# KiCad board Leopold Replacement.kicad_pcb (continued)
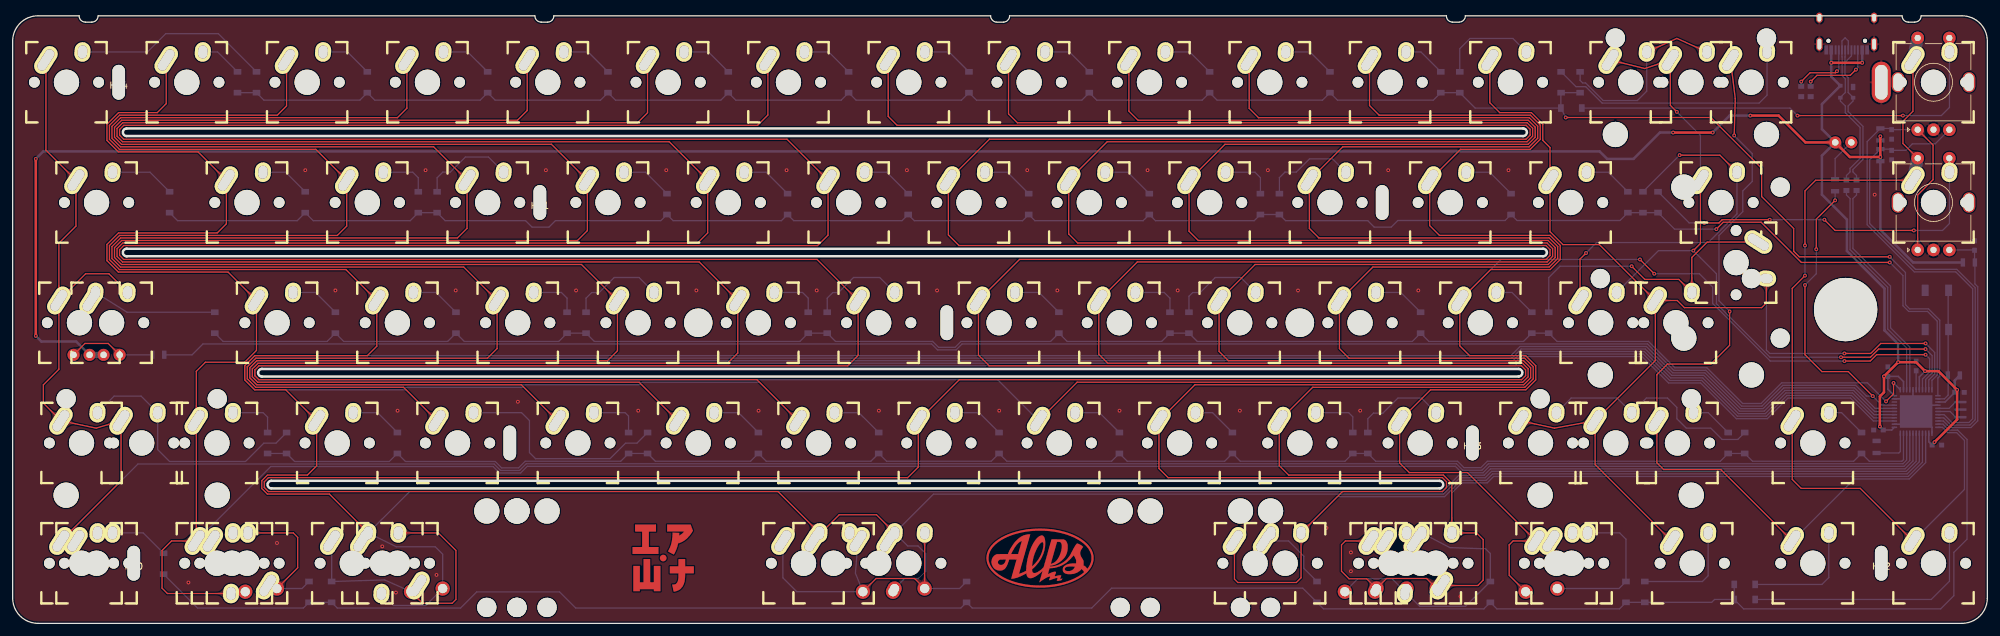
[diagram p0: board, top side]
## Copper pours and planes (outline as drawn; the poured copper is in the pictures) (continued)
Col9 on Top: 205.24,16.13 205.16,16.05 205.09,15.99 205.02,15.93 204.95,15.88 204.88,15.83 204.81,15.79 204.75,15.76 204.68,15.73 204.62,15.7 204.56,15.68 204.49,15.67 204.43,15.65 204.37,15.64 204.31,15.64 203.79,15.61 203.71,15.6 203.64,15.59 203.56,15.58 203.49,15.57 203.4,15.55 203.32,15.53 203.23,15.51 203.14,15.48 203.11,13.85 204.73,13.89 204.76,13.98 204.79,14.06 204.81,14.15 204.82,14.23 204.84,14.31 204.85,14.38 204.86,14.46 204.86,14.53 204.89,15.05 204.9,15.11 204.91,15.18 204.92,15.24 204.94,15.3 204.96,15.36 204.98,15.43 205.01,15.49 205.05,15.56 205.09,15.62 205.13,15.69 205.18,15.76 205.24,15.83 205.31,15.91 205.38,15.99
Col9 on Top: 181.19,29.55 181.19,29.65 181.2,29.75 181.21,29.84 181.22,29.93 181.24,30.01 181.26,30.09 181.28,30.16 181.31,30.22 181.33,30.28 181.36,30.34 181.4,30.4 181.43,30.45 181.47,30.5 181.51,30.55 181.85,30.94 181.9,31 181.95,31.06 181.99,31.12 182.04,31.18 182.09,31.25 182.13,31.33 182.17,31.41 182.22,31.49 181.09,32.66 179.97,31.49 180.01,31.41 180.05,31.33 180.1,31.25 180.15,31.18 180.19,31.12 180.24,31.06 180.28,31 180.33,30.94 180.68,30.55 180.72,30.5 180.75,30.45 180.79,30.4 180.82,30.34 180.85,30.28 180.88,30.22 180.9,30.16 180.93,30.09 180.95,30.01 180.96,29.93 180.98,29.84 180.98,29.75 180.99,29.65 180.99,29.55
Col9 on Top: 182.78,33.87 182.71,33.79 182.63,33.73 182.56,33.67 182.49,33.62 182.42,33.57 182.35,33.53 182.29,33.5 182.22,33.47 182.16,33.44 182.1,33.42 182.04,33.41 181.97,33.39 181.91,33.38 181.85,33.38 181.33,33.35 181.26,33.34 181.18,33.33 181.11,33.32 181.03,33.31 180.95,33.29 180.86,33.27 180.77,33.25 180.68,33.22 180.65,31.59 182.27,31.63 182.3,31.72 182.33,31.8 182.35,31.89 182.37,31.97 182.38,32.05 182.39,32.12 182.4,32.2 182.4,32.27 182.43,32.79 182.44,32.85 182.45,32.92 182.46,32.98 182.48,33.04 182.5,33.1 182.53,33.17 182.55,33.23 182.59,33.3 182.63,33.36 182.67,33.43 182.73,33.5 182.78,33.57 182.85,33.65 182.92,33.73
Col9 on Top: 190.7,48.56 190.7,48.66 190.71,48.76 190.71,48.85 190.73,48.94 190.74,49.02 190.76,49.1 190.79,49.17 190.81,49.23 190.84,49.29 190.87,49.35 190.9,49.41 190.94,49.46 190.97,49.51 191.01,49.56 191.36,49.95 191.41,50.01 191.45,50.07 191.5,50.13 191.54,50.19 191.59,50.26 191.64,50.34 191.68,50.42 191.72,50.5 190.6,51.67 189.47,50.5 189.52,50.42 189.56,50.34 189.6,50.26 189.65,50.19 189.7,50.13 189.74,50.07 189.79,50.01 189.84,49.95 190.18,49.56 190.22,49.51 190.26,49.46 190.29,49.41 190.33,49.35 190.36,49.29 190.38,49.23 190.41,49.17 190.43,49.1 190.45,49.02 190.47,48.94 190.48,48.85 190.49,48.76 190.5,48.66 190.5,48.56
Col9 on Top: 192.29,52.88 192.21,52.8 192.14,52.74 192.06,52.68 191.99,52.63 191.93,52.58 191.86,52.54 191.79,52.51 191.73,52.48 191.67,52.45 191.6,52.43 191.54,52.42 191.48,52.4 191.42,52.39 191.36,52.39 190.83,52.36 190.76,52.35 190.69,52.34 190.61,52.33 190.53,52.32 190.45,52.3 190.37,52.28 190.28,52.26 190.19,52.23 190.16,50.6 191.78,50.64 191.81,50.73 191.83,50.81 191.85,50.9 191.87,50.98 191.88,51.06 191.89,51.13 191.9,51.21 191.91,51.28 191.94,51.8 191.95,51.86 191.96,51.93 191.97,51.99 191.99,52.05 192.01,52.11 192.03,52.18 192.06,52.24 192.09,52.31 192.13,52.37 192.18,52.44 192.23,52.51 192.29,52.58 192.36,52.66 192.43,52.74
Col9 on Top: 185.94,67.57 185.95,67.67 185.95,67.77 185.96,67.86 185.98,67.95 185.99,68.03 186.01,68.11 186.03,68.18 186.06,68.24 186.09,68.3 186.12,68.36 186.15,68.42 186.18,68.47 186.22,68.52 186.26,68.57 186.61,68.96 186.65,69.02 186.7,69.08 186.75,69.14 186.79,69.2 186.84,69.27 186.88,69.35 186.93,69.43 186.97,69.51 185.84,70.68 184.72,69.51 184.76,69.43 184.81,69.35 184.85,69.27 184.9,69.2 184.94,69.14 184.99,69.08 185.04,69.02 185.08,68.96 185.43,68.57 185.47,68.52 185.51,68.47 185.54,68.42 185.57,68.36 185.6,68.3 185.63,68.24 185.66,68.18 185.68,68.11 185.7,68.03 185.71,67.95 185.73,67.86 185.74,67.77 185.74,67.67 185.75,67.57
Col9 on Top: 187.53,71.89 187.46,71.81 187.38,71.75 187.31,71.69 187.24,71.64 187.17,71.59 187.11,71.55 187.04,71.52 186.98,71.49 186.91,71.46 186.85,71.44 186.79,71.43 186.73,71.41 186.66,71.4 186.6,71.4 186.08,71.37 186.01,71.36 185.93,71.35 185.86,71.34 185.78,71.33 185.7,71.31 185.61,71.29 185.53,71.27 185.43,71.24 185.4,69.61 187.03,69.65 187.06,69.74 187.08,69.82 187.1,69.91 187.12,69.99 187.13,70.07 187.14,70.14 187.15,70.22 187.16,70.29 187.19,70.81 187.19,70.87 187.2,70.94 187.22,71 187.23,71.06 187.25,71.12 187.28,71.19 187.31,71.25 187.34,71.32 187.38,71.38 187.43,71.45 187.48,71.52 187.54,71.59 187.6,71.67 187.68,71.75
Col9 on Top: 176.44,86.58 176.44,86.68 176.45,86.78 176.46,86.87 176.47,86.96 176.49,87.04 176.51,87.12 176.53,87.19 176.55,87.25 176.58,87.31 176.61,87.37 176.64,87.43 176.68,87.48 176.71,87.53 176.75,87.58 177.1,87.97 177.15,88.03 177.19,88.09 177.24,88.15 177.29,88.21 177.33,88.28 177.38,88.36 177.42,88.44 177.47,88.52 176.34,89.69 175.22,88.52 175.26,88.44 175.3,88.36 175.35,88.28 175.39,88.21 175.44,88.15 175.49,88.09 175.53,88.03 175.58,87.97 175.93,87.58 175.97,87.53 176,87.48 176.04,87.43 176.07,87.37 176.1,87.31 176.13,87.25 176.15,87.19 176.17,87.12 176.19,87.04 176.21,86.96 176.22,86.87 176.23,86.78 176.24,86.68 176.24,86.58
Col9 on Top: 193.12,10.54 193.13,10.64 193.13,10.74 193.14,10.83 193.15,10.92 193.17,11 193.19,11.08 193.21,11.15 193.24,11.21 193.26,11.27 193.29,11.33 193.33,11.39 193.36,11.44 193.4,11.49 193.44,11.54 193.79,11.93 193.83,11.99 193.88,12.05 193.92,12.11 193.97,12.17 194.02,12.24 194.06,12.32 194.11,12.4 194.15,12.48 193.02,13.65 191.9,12.48 191.94,12.4 191.99,12.32 192.03,12.24 192.08,12.17 192.12,12.11 192.17,12.05 192.22,11.99 192.26,11.93 192.61,11.54 192.65,11.49 192.69,11.44 192.72,11.39 192.75,11.33 192.78,11.27 192.81,11.21 192.84,11.15 192.86,11.08 192.88,11 192.89,10.92 192.91,10.83 192.92,10.74 192.92,10.64 192.92,10.54
Col9 on Top: 203.65,11.81 203.65,11.91 203.66,12.01 203.67,12.1 203.68,12.19 203.7,12.27 203.72,12.35 203.74,12.42 203.76,12.48 203.79,12.54 203.82,12.6 203.85,12.66 203.89,12.71 203.93,12.76 203.96,12.81 204.31,13.2 204.36,13.26 204.41,13.32 204.45,13.38 204.5,13.44 204.54,13.51 204.59,13.59 204.63,13.67 204.68,13.75 203.55,14.92 202.43,13.75 202.47,13.67 202.51,13.59 202.56,13.51 202.6,13.44 202.65,13.38 202.7,13.32 202.74,13.26 202.79,13.2 203.14,12.81 203.18,12.76 203.21,12.71 203.25,12.66 203.28,12.6 203.31,12.54 203.34,12.48 203.36,12.42 203.39,12.35 203.41,12.27 203.42,12.19 203.43,12.1 203.44,12.01 203.45,11.91 203.45,11.81
Col9 on Bottom: 205.24,16.13 205.16,16.05 205.09,15.99 205.02,15.93 204.95,15.88 204.88,15.83 204.81,15.79 204.75,15.76 204.68,15.73 204.62,15.7 204.56,15.68 204.49,15.67 204.43,15.65 204.37,15.64 204.31,15.64 203.79,15.61 203.71,15.6 203.64,15.59 203.56,15.58 203.49,15.57 203.4,15.55 203.32,15.53 203.23,15.51 203.14,15.48 203.11,13.85 204.73,13.89 204.76,13.98 204.79,14.06 204.81,14.15 204.82,14.23 204.84,14.31 204.85,14.38 204.86,14.46 204.86,14.53 204.89,15.05 204.9,15.11 204.91,15.18 204.92,15.24 204.94,15.3 204.96,15.36 204.98,15.43 205.01,15.49 205.05,15.56 205.09,15.62 205.13,15.69 205.18,15.76 205.24,15.83 205.31,15.91 205.38,15.99
Col10 on Top: 227.12,6.09 227.01,6.09 226.91,6.09 226.82,6.1 226.73,6.11 226.65,6.12 226.57,6.14 226.49,6.16 226.42,6.18 226.36,6.2 226.29,6.22 226.23,6.25 225.73,6.48 225.67,6.51 225.61,6.53 225.54,6.55 225.48,6.57 225.4,6.59 225.33,6.6 225.25,6.61 225.17,6.62 225.08,6.63 224.98,6.63 224.46,5.27 225.84,4.8 225.89,4.85 225.93,4.91 225.97,4.97 226.34,5.56 226.37,5.6 226.41,5.63 226.44,5.67 226.48,5.7 226.52,5.73 226.56,5.76 226.61,5.78 226.66,5.81 226.71,5.83 226.76,5.84 226.83,5.86 226.89,5.87 226.96,5.88 227.04,5.88 227.12,5.89
Col10 on Top: 228.21,6.09 228.11,6.09 228.01,6.09 227.92,6.1 227.83,6.12 227.75,6.13 227.67,6.15 227.6,6.17 227.54,6.2 227.47,6.23 227.42,6.26 227.36,6.29 227.31,6.32 227.26,6.36 227.21,6.4 226.82,6.75 226.76,6.79 226.7,6.84 226.64,6.89 226.58,6.93 226.51,6.98 226.43,7.02 226.35,7.07 226.27,7.11 225.1,5.99 226.27,4.86 226.35,4.9 226.43,4.95 226.51,4.99 226.58,5.04 226.64,5.08 226.7,5.13 226.76,5.18 226.82,5.22 227.21,5.57 227.26,5.61 227.31,5.65 227.36,5.68 227.42,5.71 227.47,5.74 227.54,5.77 227.6,5.8 227.67,5.82 227.75,5.84 227.83,5.86 227.92,5.87 228.01,5.88 228.11,5.88 228.21,5.89
Col10 on Top: 229.85,14.4 229.75,14.4 229.65,14.4 229.56,14.41 229.47,14.43 229.39,14.44 229.31,14.46 229.24,14.48 229.18,14.51 229.12,14.54 229.06,14.57 229,14.6 228.95,14.63 228.9,14.67 228.85,14.71 228.46,15.06 228.4,15.1 228.34,15.15 228.28,15.2 228.22,15.24 228.15,15.29 228.07,15.33 227.99,15.38 227.91,15.42 226.74,14.3 227.91,13.17 227.99,13.21 228.07,13.26 228.15,13.3 228.22,13.35 228.28,13.39 228.34,13.44 228.4,13.49 228.46,13.53 228.85,13.88 228.9,13.92 228.95,13.96 229,13.99 229.06,14.02 229.12,14.05 229.18,14.08 229.24,14.11 229.31,14.13 229.39,14.15 229.47,14.17 229.56,14.18 229.65,14.19 229.75,14.19 229.85,14.2
Col10 on Top: 217.06,7.19 216.98,7.18 216.9,7.18 216.83,7.17 216.76,7.16 216.7,7.15 216.64,7.13 216.59,7.11 216.54,7.09 216.49,7.07 216.44,7.04 215.98,6.75 215.93,6.73 215.89,6.71 215.84,6.69 215.78,6.67 215.73,6.66 215.67,6.65 215.6,6.64 215.54,6.63 215.46,6.63 215.06,5.11 216.52,5.14 216.55,5.22 216.57,5.3 216.58,5.38 216.59,5.47 216.6,5.55 216.6,5.64 216.59,5.72 216.59,5.81 216.58,5.89 216.54,6.29 216.54,6.37 216.53,6.44 216.53,6.5 216.54,6.57 216.55,6.63 216.56,6.69 216.57,6.74 216.6,6.79 216.63,6.83 216.66,6.87 216.71,6.91 216.76,6.93 216.82,6.96 216.89,6.97 216.97,6.98 217.06,6.99
Col10 on Top: 216.6,6.79 216.53,6.72 216.46,6.66 216.39,6.6 216.33,6.55 216.26,6.51 216.2,6.47 216.14,6.43 216.08,6.4 216.02,6.38 215.96,6.35 215.9,6.33 215.85,6.32 215.79,6.3 215.26,6.21 215.19,6.19 215.12,6.18 215.06,6.16 214.99,6.13 214.91,6.11 214.84,6.07 214.76,6.04 214.68,6 214.88,4.55 216.32,4.81 216.34,4.89 216.35,4.97 216.35,5.04 216.36,5.12 216.36,5.19 216.34,5.84 216.34,5.9 216.35,5.95 216.36,6 216.37,6.06 216.39,6.11 216.41,6.17 216.43,6.22 216.46,6.28 216.49,6.34 216.53,6.4 216.58,6.46 216.63,6.52 216.68,6.58 216.75,6.65
Col10 on Top: 223.37,6.99 223.46,6.98 223.54,6.97 223.61,6.96 223.67,6.93 223.72,6.91 223.77,6.87 223.8,6.83 223.83,6.79 223.86,6.74 223.87,6.69 223.88,6.63 223.89,6.57 223.89,6.5 223.89,6.44 223.89,6.37 223.89,6.29 223.85,5.89 223.84,5.81 223.84,5.72 223.83,5.64 223.83,5.55 223.84,5.47 223.85,5.38 223.86,5.3 223.88,5.22 223.9,5.14 225.36,5.11 224.97,6.63 224.89,6.63 224.83,6.64 224.76,6.65 224.7,6.66 224.65,6.67 224.59,6.69 224.54,6.71 224.49,6.73 224.45,6.75 223.99,7.04 223.94,7.07 223.89,7.09 223.84,7.11 223.79,7.13 223.73,7.15 223.66,7.16 223.6,7.17 223.53,7.18 223.45,7.18 223.37,7.19
Col10 on Top: 223.52,6.81 223.59,6.74 223.66,6.67 223.72,6.6 223.78,6.53 223.83,6.47 223.88,6.41 223.93,6.35 224.51,5.47 224.56,5.41 224.61,5.35 224.66,5.29 224.71,5.23 224.77,5.17 224.84,5.1 226.35,5.98 225.19,7.12 224.49,6.76 224.44,6.74 224.4,6.72 224.35,6.71 224.3,6.7 224.25,6.69 224.21,6.69 224.16,6.69 224.11,6.69 224.07,6.7 224.02,6.72 223.97,6.73 223.92,6.76 223.87,6.79 223.82,6.82 223.77,6.86 223.71,6.9 223.66,6.95
Col10 on Top: 200.2,29.55 200.2,29.65 200.21,29.75 200.22,29.84 200.23,29.93 200.25,30.01 200.27,30.09 200.29,30.16 200.32,30.22 200.34,30.28 200.37,30.34 200.41,30.4 200.44,30.45 200.48,30.5 200.52,30.55 200.86,30.94 200.91,31 200.96,31.06 201,31.12 201.05,31.18 201.1,31.25 201.14,31.33 201.18,31.41 201.23,31.49 200.1,32.66 198.98,31.49 199.02,31.41 199.06,31.33 199.11,31.25 199.16,31.18 199.2,31.12 199.25,31.06 199.29,31 199.34,30.94 199.69,30.55 199.73,30.5 199.76,30.45 199.8,30.4 199.83,30.34 199.86,30.28 199.89,30.22 199.91,30.16 199.94,30.09 199.96,30.01 199.97,29.93 199.99,29.84 199.99,29.75 200,29.65 200,29.55
Col10 on Top: 227.26,16.79 227.26,16.68 227.26,16.58 227.25,16.49 227.23,16.4 227.22,16.32 227.2,16.25 227.18,16.18 227.15,16.11 227.12,16.05 227.09,15.99 227.06,15.93 227.03,15.88 226.99,15.83 226.95,15.78 226.6,15.39 226.56,15.33 226.51,15.28 226.46,15.21 226.42,15.15 226.37,15.08 226.33,15 226.28,14.93 226.24,14.84 227.36,13.67 228.49,14.84 228.45,14.93 228.4,15 228.36,15.08 228.31,15.15 228.26,15.21 228.22,15.28 228.17,15.33 228.12,15.39 227.78,15.78 227.74,15.83 227.7,15.88 227.67,15.93 227.63,15.99 227.6,16.05 227.58,16.11 227.55,16.18 227.53,16.25 227.51,16.32 227.49,16.4 227.48,16.49 227.47,16.58 227.47,16.68 227.46,16.79
Col10 on Top: 201.79,33.87 201.72,33.79 201.64,33.73 201.57,33.67 201.5,33.62 201.43,33.57 201.36,33.53 201.3,33.5 201.23,33.47 201.17,33.44 201.11,33.42 201.05,33.41 200.98,33.39 200.92,33.38 200.86,33.38 200.34,33.35 200.27,33.34 200.19,33.33 200.12,33.32 200.04,33.31 199.96,33.29 199.87,33.27 199.78,33.25 199.69,33.22 199.66,31.59 201.28,31.63 201.31,31.72 201.34,31.8 201.36,31.89 201.38,31.97 201.39,32.05 201.4,32.12 201.41,32.2 201.41,32.27 201.44,32.79 201.45,32.85 201.46,32.92 201.47,32.98 201.49,33.04 201.51,33.1 201.54,33.17 201.56,33.23 201.6,33.3 201.64,33.36 201.68,33.43 201.74,33.5 201.79,33.57 201.86,33.65 201.93,33.73
Col10 on Top: 209.71,48.56 209.71,48.66 209.72,48.76 209.72,48.85 209.74,48.94 209.75,49.02 209.77,49.1 209.8,49.17 209.82,49.23 209.85,49.29 209.88,49.35 209.91,49.41 209.95,49.46 209.98,49.51 210.02,49.56 210.37,49.95 210.42,50.01 210.46,50.07 210.51,50.13 210.55,50.19 210.6,50.26 210.65,50.34 210.69,50.42 210.73,50.5 209.61,51.67 208.48,50.5 208.53,50.42 208.57,50.34 208.61,50.26 208.66,50.19 208.71,50.13 208.75,50.07 208.8,50.01 208.85,49.95 209.19,49.56 209.23,49.51 209.27,49.46 209.3,49.41 209.34,49.35 209.37,49.29 209.39,49.23 209.42,49.17 209.44,49.1 209.46,49.02 209.48,48.94 209.49,48.85 209.5,48.76 209.51,48.66 209.51,48.56
Col10 on Top: 211.3,52.88 211.22,52.8 211.15,52.74 211.07,52.68 211,52.63 210.94,52.58 210.87,52.54 210.8,52.51 210.74,52.48 210.68,52.45 210.61,52.43 210.55,52.42 210.49,52.4 210.43,52.39 210.37,52.39 209.84,52.36 209.77,52.35 209.7,52.34 209.62,52.33 209.54,52.32 209.46,52.3 209.38,52.28 209.29,52.26 209.2,52.23 209.17,50.6 210.79,50.64 210.82,50.73 210.84,50.81 210.86,50.9 210.88,50.98 210.89,51.06 210.9,51.13 210.91,51.21 210.92,51.28 210.95,51.8 210.96,51.86 210.97,51.93 210.98,51.99 211,52.05 211.02,52.11 211.04,52.18 211.07,52.24 211.1,52.31 211.14,52.37 211.19,52.44 211.24,52.51 211.3,52.58 211.37,52.66 211.44,52.74
Col10 on Top: 204.96,67.57 204.96,67.67 204.96,67.77 204.97,67.86 204.99,67.95 205,68.03 205.02,68.11 205.04,68.18 205.07,68.24 205.1,68.3 205.13,68.36 205.16,68.42 205.19,68.47 205.23,68.52 205.27,68.57 205.62,68.96 205.66,69.02 205.71,69.08 205.76,69.14 205.8,69.2 205.85,69.27 205.89,69.35 205.94,69.43 205.98,69.51 204.85,70.68 203.73,69.51 203.77,69.43 203.82,69.35 203.86,69.27 203.91,69.2 203.95,69.14 204,69.08 204.05,69.02 204.09,68.96 204.44,68.57 204.48,68.52 204.52,68.47 204.55,68.42 204.58,68.36 204.61,68.3 204.64,68.24 204.67,68.18 204.69,68.11 204.71,68.03 204.72,67.95 204.74,67.86 204.75,67.77 204.75,67.67 204.75,67.57
Col10 on Top: 206.54,71.89 206.47,71.81 206.39,71.75 206.32,71.69 206.25,71.64 206.18,71.59 206.12,71.55 206.05,71.52 205.99,71.49 205.92,71.46 205.86,71.44 205.8,71.43 205.74,71.41 205.67,71.4 205.61,71.4 205.09,71.37 205.02,71.36 204.94,71.35 204.87,71.34 204.79,71.33 204.71,71.31 204.62,71.29 204.54,71.27 204.44,71.24 204.41,69.61 206.04,69.65 206.07,69.74 206.09,69.82 206.11,69.91 206.13,69.99 206.14,70.07 206.15,70.14 206.16,70.22 206.17,70.29 206.2,70.81 206.2,70.87 206.21,70.94 206.23,71 206.24,71.06 206.26,71.12 206.29,71.19 206.32,71.25 206.35,71.32 206.39,71.38 206.44,71.45 206.49,71.52 206.55,71.59 206.61,71.67 206.69,71.75
Col10 on Top: 195.45,86.58 195.45,86.68 195.46,86.78 195.47,86.87 195.48,86.96 195.5,87.04 195.52,87.12 195.54,87.19 195.56,87.25 195.59,87.31 195.62,87.37 195.65,87.43 195.69,87.48 195.72,87.53 195.76,87.58 196.11,87.97 196.16,88.03 196.2,88.09 196.25,88.15 196.3,88.21 196.34,88.28 196.39,88.36 196.43,88.44 196.47,88.52 195.35,89.69 194.22,88.52 194.27,88.44 194.31,88.36 194.36,88.28 194.4,88.21 194.45,88.15 194.5,88.09 194.54,88.03 194.59,87.97 194.94,87.58 194.98,87.53 195.01,87.48 195.05,87.43 195.08,87.37 195.11,87.31 195.14,87.25 195.16,87.19 195.18,87.12 195.2,87.04 195.22,86.96 195.23,86.87 195.24,86.78 195.25,86.68 195.25,86.58
Col10 on Top: 211.97,12.93 212.08,12.92 212.18,12.92 212.27,12.91 212.35,12.9 212.43,12.88 212.51,12.86 212.58,12.84 212.65,12.81 212.71,12.78 212.77,12.75 212.82,12.72 212.88,12.69 212.93,12.65 212.98,12.61 213.37,12.26 213.42,12.22 213.48,12.17 213.54,12.12 213.61,12.08 213.68,12.03 213.75,11.99 213.83,11.94 213.91,11.9 215.08,13.03 213.91,14.15 213.83,14.11 213.75,14.06 213.68,14.02 213.61,13.97 213.54,13.93 213.48,13.88 213.42,13.83 213.37,13.79 212.98,13.44 212.93,13.4 212.88,13.36 212.82,13.33 212.77,13.3 212.71,13.27 212.65,13.24 212.58,13.21 212.51,13.19 212.43,13.17 212.35,13.16 212.27,13.14 212.18,13.13 212.08,13.13 211.97,13.13
Col10 on Top: 213.85,6.95 213.94,6.95 214.02,6.94 214.09,6.92 214.15,6.9 214.2,6.87 214.24,6.84 214.28,6.8 214.31,6.76 214.33,6.71 214.35,6.66 214.36,6.6 214.37,6.54 214.38,6.48 214.38,6.41 214.38,6.34 214.37,6.27 214.34,5.88 214.33,5.8 214.33,5.71 214.33,5.63 214.33,5.55 214.33,5.46 214.34,5.38 214.36,5.3 214.37,5.22 214.4,5.14 215.86,5.11 215.46,6.63 215.39,6.63 215.32,6.64 215.26,6.64 215.2,6.66 215.14,6.67 215.09,6.68 215.04,6.7 214.99,6.72 214.94,6.74 214.48,7.02 214.43,7.04 214.38,7.06 214.32,7.08 214.27,7.1 214.21,7.11 214.15,7.13 214.08,7.14 214.01,7.14 213.93,7.15 213.85,7.15
Col10 on Top: 214.02,6.81 214.07,6.75 214.12,6.7 214.16,6.64 214.2,6.59 214.23,6.54 214.26,6.49 214.28,6.44 214.3,6.39 214.31,6.34 214.32,6.29 214.33,6.24 214.33,6.19 214.33,6.14 214.32,6.1 214.32,6.05 214.13,5.32 214.11,5.25 214.1,5.18 215.38,4.47 216.01,5.8 215.94,5.87 215.88,5.93 215.81,5.98 215.75,6.03 215.69,6.07 215.63,6.11 215.57,6.15 215.51,6.18 215.45,6.21 215.4,6.23 214.89,6.44 214.83,6.46 214.77,6.49 214.71,6.53 214.64,6.56 214.58,6.6 214.51,6.65 214.45,6.7 214.38,6.75 214.31,6.81 214.23,6.88 214.16,6.95
Col10 on Bottom: 227.26,16.79 227.26,16.68 227.26,16.58 227.25,16.49 227.23,16.4 227.22,16.32 227.2,16.25 227.18,16.18 227.15,16.11 227.12,16.05 227.09,15.99 227.06,15.93 227.03,15.88 226.99,15.83 226.95,15.78 226.6,15.39 226.56,15.33 226.51,15.28 226.46,15.21 226.42,15.15 226.37,15.08 226.33,15 226.28,14.93 226.24,14.84 227.36,13.67 228.49,14.84 228.45,14.93 228.4,15 228.36,15.08 228.31,15.15 228.26,15.21 228.22,15.28 228.17,15.33 228.12,15.39 227.78,15.78 227.74,15.83 227.7,15.88 227.67,15.93 227.63,15.99 227.6,16.05 227.58,16.11 227.55,16.18 227.53,16.25 227.51,16.32 227.49,16.4 227.48,16.49 227.47,16.58 227.47,16.68 227.46,16.79
Col11 on Top: 238.82,14.72 238.89,14.64 238.96,14.56 239.02,14.49 239.07,14.42 239.11,14.35 239.15,14.29 239.19,14.22 239.22,14.16 239.24,14.09 239.26,14.03 239.28,13.97 239.29,13.91 239.3,13.84 239.31,13.78 239.34,13.26 239.34,13.19 239.35,13.11 239.36,13.04 239.38,12.96 239.39,12.88 239.41,12.79 239.44,12.71 239.47,12.62 241.09,12.58 241.06,14.21 240.97,14.24 240.88,14.26 240.8,14.28 240.72,14.3 240.64,14.31 240.56,14.32 240.49,14.33 240.41,14.34 239.89,14.37 239.83,14.37 239.77,14.38 239.71,14.4 239.64,14.41 239.58,14.43 239.52,14.46 239.45,14.49 239.39,14.52 239.32,14.56 239.25,14.61 239.18,14.66 239.11,14.72 239.04,14.78 238.96,14.86
Col11 on Top: 219.21,29.55 219.21,29.65 219.22,29.75 219.23,29.84 219.24,29.93 219.26,30.01 219.28,30.09 219.3,30.16 219.33,30.22 219.35,30.28 219.38,30.34 219.42,30.4 219.45,30.45 219.49,30.5 219.53,30.55 219.87,30.94 219.92,31 219.97,31.06 220.01,31.12 220.06,31.18 220.11,31.25 220.15,31.33 220.19,31.41 220.24,31.49 219.11,32.66 217.99,31.49 218.03,31.41 218.07,31.33 218.12,31.25 218.17,31.18 218.21,31.12 218.26,31.06 218.3,31 218.35,30.94 218.7,30.55 218.74,30.5 218.77,30.45 218.81,30.4 218.84,30.34 218.87,30.28 218.9,30.22 218.92,30.16 218.95,30.09 218.97,30.01 218.98,29.93 219,29.84 219,29.75 219.01,29.65 219.01,29.55
Col11 on Top: 220.8,33.87 220.73,33.79 220.65,33.73 220.58,33.67 220.51,33.62 220.44,33.57 220.37,33.53 220.31,33.5 220.24,33.47 220.18,33.44 220.12,33.42 220.06,33.41 219.99,33.39 219.93,33.38 219.87,33.38 219.35,33.35 219.28,33.34 219.2,33.33 219.13,33.32 219.05,33.31 218.97,33.29 218.88,33.27 218.79,33.25 218.7,33.22 218.67,31.59 220.29,31.63 220.32,31.72 220.35,31.8 220.37,31.89 220.39,31.97 220.4,32.05 220.41,32.12 220.42,32.2 220.42,32.27 220.45,32.79 220.46,32.85 220.47,32.92 220.48,32.98 220.5,33.04 220.52,33.1 220.55,33.17 220.57,33.23 220.61,33.3 220.65,33.36 220.69,33.43 220.75,33.5 220.8,33.57 220.87,33.65 220.94,33.73
Col11 on Top: 228.72,48.56 228.72,48.66 228.73,48.76 228.73,48.85 228.75,48.94 228.76,49.02 228.78,49.1 228.81,49.17 228.83,49.23 228.86,49.29 228.89,49.35 228.92,49.41 228.96,49.46 228.99,49.51 229.03,49.56 229.38,49.95 229.43,50.01 229.47,50.07 229.52,50.13 229.56,50.19 229.61,50.26 229.66,50.34 229.7,50.42 229.74,50.5 228.62,51.67 227.49,50.5 227.54,50.42 227.58,50.34 227.62,50.26 227.67,50.19 227.72,50.13 227.76,50.07 227.81,50.01 227.86,49.95 228.2,49.56 228.24,49.51 228.28,49.46 228.31,49.41 228.35,49.35 228.38,49.29 228.4,49.23 228.43,49.17 228.45,49.1 228.47,49.02 228.49,48.94 228.5,48.85 228.51,48.76 228.52,48.66 228.52,48.56
Col11 on Top: 230.31,52.88 230.23,52.8 230.16,52.74 230.08,52.68 230.01,52.63 229.95,52.58 229.88,52.54 229.81,52.51 229.75,52.48 229.69,52.45 229.62,52.43 229.56,52.42 229.5,52.4 229.44,52.39 229.38,52.39 228.85,52.36 228.78,52.35 228.71,52.34 228.63,52.33 228.55,52.32 228.47,52.3 228.39,52.28 228.3,52.26 228.21,52.23 228.18,50.6 229.8,50.64 229.83,50.73 229.85,50.81 229.87,50.9 229.89,50.98 229.9,51.06 229.91,51.13 229.92,51.21 229.93,51.28 229.96,51.8 229.97,51.86 229.98,51.93 229.99,51.99 230.01,52.05 230.03,52.11 230.05,52.18 230.08,52.24 230.11,52.31 230.15,52.37 230.2,52.44 230.25,52.51 230.31,52.58 230.38,52.66 230.45,52.74
Col11 on Top: 223.97,67.57 223.97,67.67 223.97,67.77 223.98,67.86 224,67.95 224.01,68.03 224.03,68.11 224.05,68.18 224.08,68.24 224.11,68.3 224.14,68.36 224.17,68.42 224.2,68.47 224.24,68.52 224.28,68.57 224.63,68.96 224.67,69.02 224.72,69.08 224.77,69.14 224.81,69.2 224.86,69.27 224.9,69.35 224.95,69.43 224.99,69.51 223.87,70.68 222.74,69.51 222.78,69.43 222.83,69.35 222.87,69.27 222.92,69.2 222.96,69.14 223.01,69.08 223.06,69.02 223.1,68.96 223.45,68.57 223.49,68.52 223.53,68.47 223.56,68.42 223.59,68.36 223.62,68.3 223.65,68.24 223.68,68.18 223.7,68.11 223.72,68.03 223.73,67.95 223.75,67.86 223.76,67.77 223.76,67.67 223.76,67.57
Col11 on Top: 225.55,71.89 225.48,71.81 225.4,71.75 225.33,71.69 225.26,71.64 225.19,71.59 225.13,71.55 225.06,71.52 225,71.49 224.93,71.46 224.87,71.44 224.81,71.43 224.75,71.41 224.68,71.4 224.62,71.4 224.1,71.37 224.03,71.36 223.95,71.35 223.88,71.34 223.8,71.33 223.72,71.31 223.63,71.29 223.55,71.27 223.45,71.24 223.42,69.61 225.05,69.65 225.08,69.74 225.1,69.82 225.12,69.91 225.14,69.99 225.15,70.07 225.16,70.14 225.17,70.22 225.18,70.29 225.21,70.81 225.21,70.87 225.22,70.94 225.24,71 225.25,71.06 225.27,71.12 225.3,71.19 225.33,71.25 225.36,71.32 225.4,71.38 225.45,71.45 225.5,71.52 225.56,71.59 225.62,71.67 225.7,71.75
Col11 on Top: 214.46,86.58 214.46,86.68 214.47,86.78 214.48,86.87 214.49,86.96 214.51,87.04 214.53,87.12 214.55,87.19 214.57,87.25 214.6,87.31 214.63,87.37 214.66,87.43 214.7,87.48 214.73,87.53 214.77,87.58 215.12,87.97 215.17,88.03 215.21,88.09 215.26,88.15 215.31,88.21 215.35,88.28 215.4,88.36 215.44,88.44 215.49,88.52 214.36,89.69 213.24,88.52 213.28,88.44 213.32,88.36 213.37,88.28 213.41,88.21 213.46,88.15 213.51,88.09 213.55,88.03 213.6,87.97 213.95,87.58 213.99,87.53 214.02,87.48 214.06,87.43 214.09,87.37 214.12,87.31 214.15,87.25 214.17,87.19 214.19,87.12 214.21,87.04 214.23,86.96 214.24,86.87 214.25,86.78 214.26,86.68 214.26,86.58
Col11 on Top: 237.37,6.52 237.44,6.45 237.5,6.39 237.55,6.32 237.6,6.26 237.64,6.2 237.67,6.14 237.7,6.08 237.73,6.02 237.75,5.96 237.77,5.91 237.79,5.85 237.8,5.8 237.81,5.74 237.85,5.15 237.86,5.08 237.87,5.02 237.88,4.95 237.9,4.87 237.92,4.8 237.94,4.72 237.97,4.64 239.43,4.61 239.4,6.07 239.32,6.09 239.24,6.12 239.16,6.14 239.09,6.15 239.02,6.16 238.95,6.17 238.88,6.18 238.29,6.23 238.24,6.23 238.18,6.25 238.13,6.26 238.07,6.28 238.01,6.3 237.95,6.33 237.9,6.36 237.84,6.4 237.77,6.44 237.71,6.48 237.65,6.54 237.58,6.6 237.51,6.66
Col11 on Top: 238.16,12.93 238.27,12.92 238.36,12.92 238.46,12.91 238.54,12.9 238.62,12.88 238.7,12.86 238.77,12.84 238.84,12.81 238.9,12.78 238.96,12.75 239.01,12.72 239.06,12.69 239.12,12.65 239.16,12.61 239.56,12.26 239.61,12.22 239.67,12.17 239.73,12.12 239.8,12.08 239.87,12.03 239.94,11.99 240.02,11.94 240.1,11.9 241.27,13.03 240.1,14.15 240.02,14.11 239.94,14.06 239.87,14.02 239.8,13.97 239.73,13.93 239.67,13.88 239.61,13.83 239.56,13.79 239.16,13.44 239.12,13.4 239.06,13.36 239.01,13.33 238.96,13.3 238.9,13.27 238.84,13.24 238.77,13.21 238.7,13.19 238.62,13.17 238.54,13.16 238.46,13.14 238.36,13.13 238.27,13.13 238.16,13.13
Col11 on Bottom: 230.31,52.88 230.23,52.8 230.16,52.74 230.08,52.68 230.01,52.63 229.95,52.58 229.88,52.54 229.81,52.51 229.75,52.48 229.69,52.45 229.62,52.43 229.56,52.42 229.5,52.4 229.44,52.39 229.38,52.39 228.85,52.36 228.78,52.35 228.71,52.34 228.63,52.33 228.55,52.32 228.47,52.3 228.39,52.28 228.3,52.26 228.21,52.23 228.18,50.6 229.8,50.64 229.83,50.73 229.85,50.81 229.87,50.9 229.89,50.98 229.9,51.06 229.91,51.13 229.92,51.21 229.93,51.28 229.96,51.8 229.97,51.86 229.98,51.93 229.99,51.99 230.01,52.05 230.03,52.11 230.05,52.18 230.08,52.24 230.11,52.31 230.15,52.37 230.2,52.44 230.25,52.51 230.31,52.58 230.38,52.66 230.45,52.74